# Allegro board FMDEMOD-Long.brd (continued)
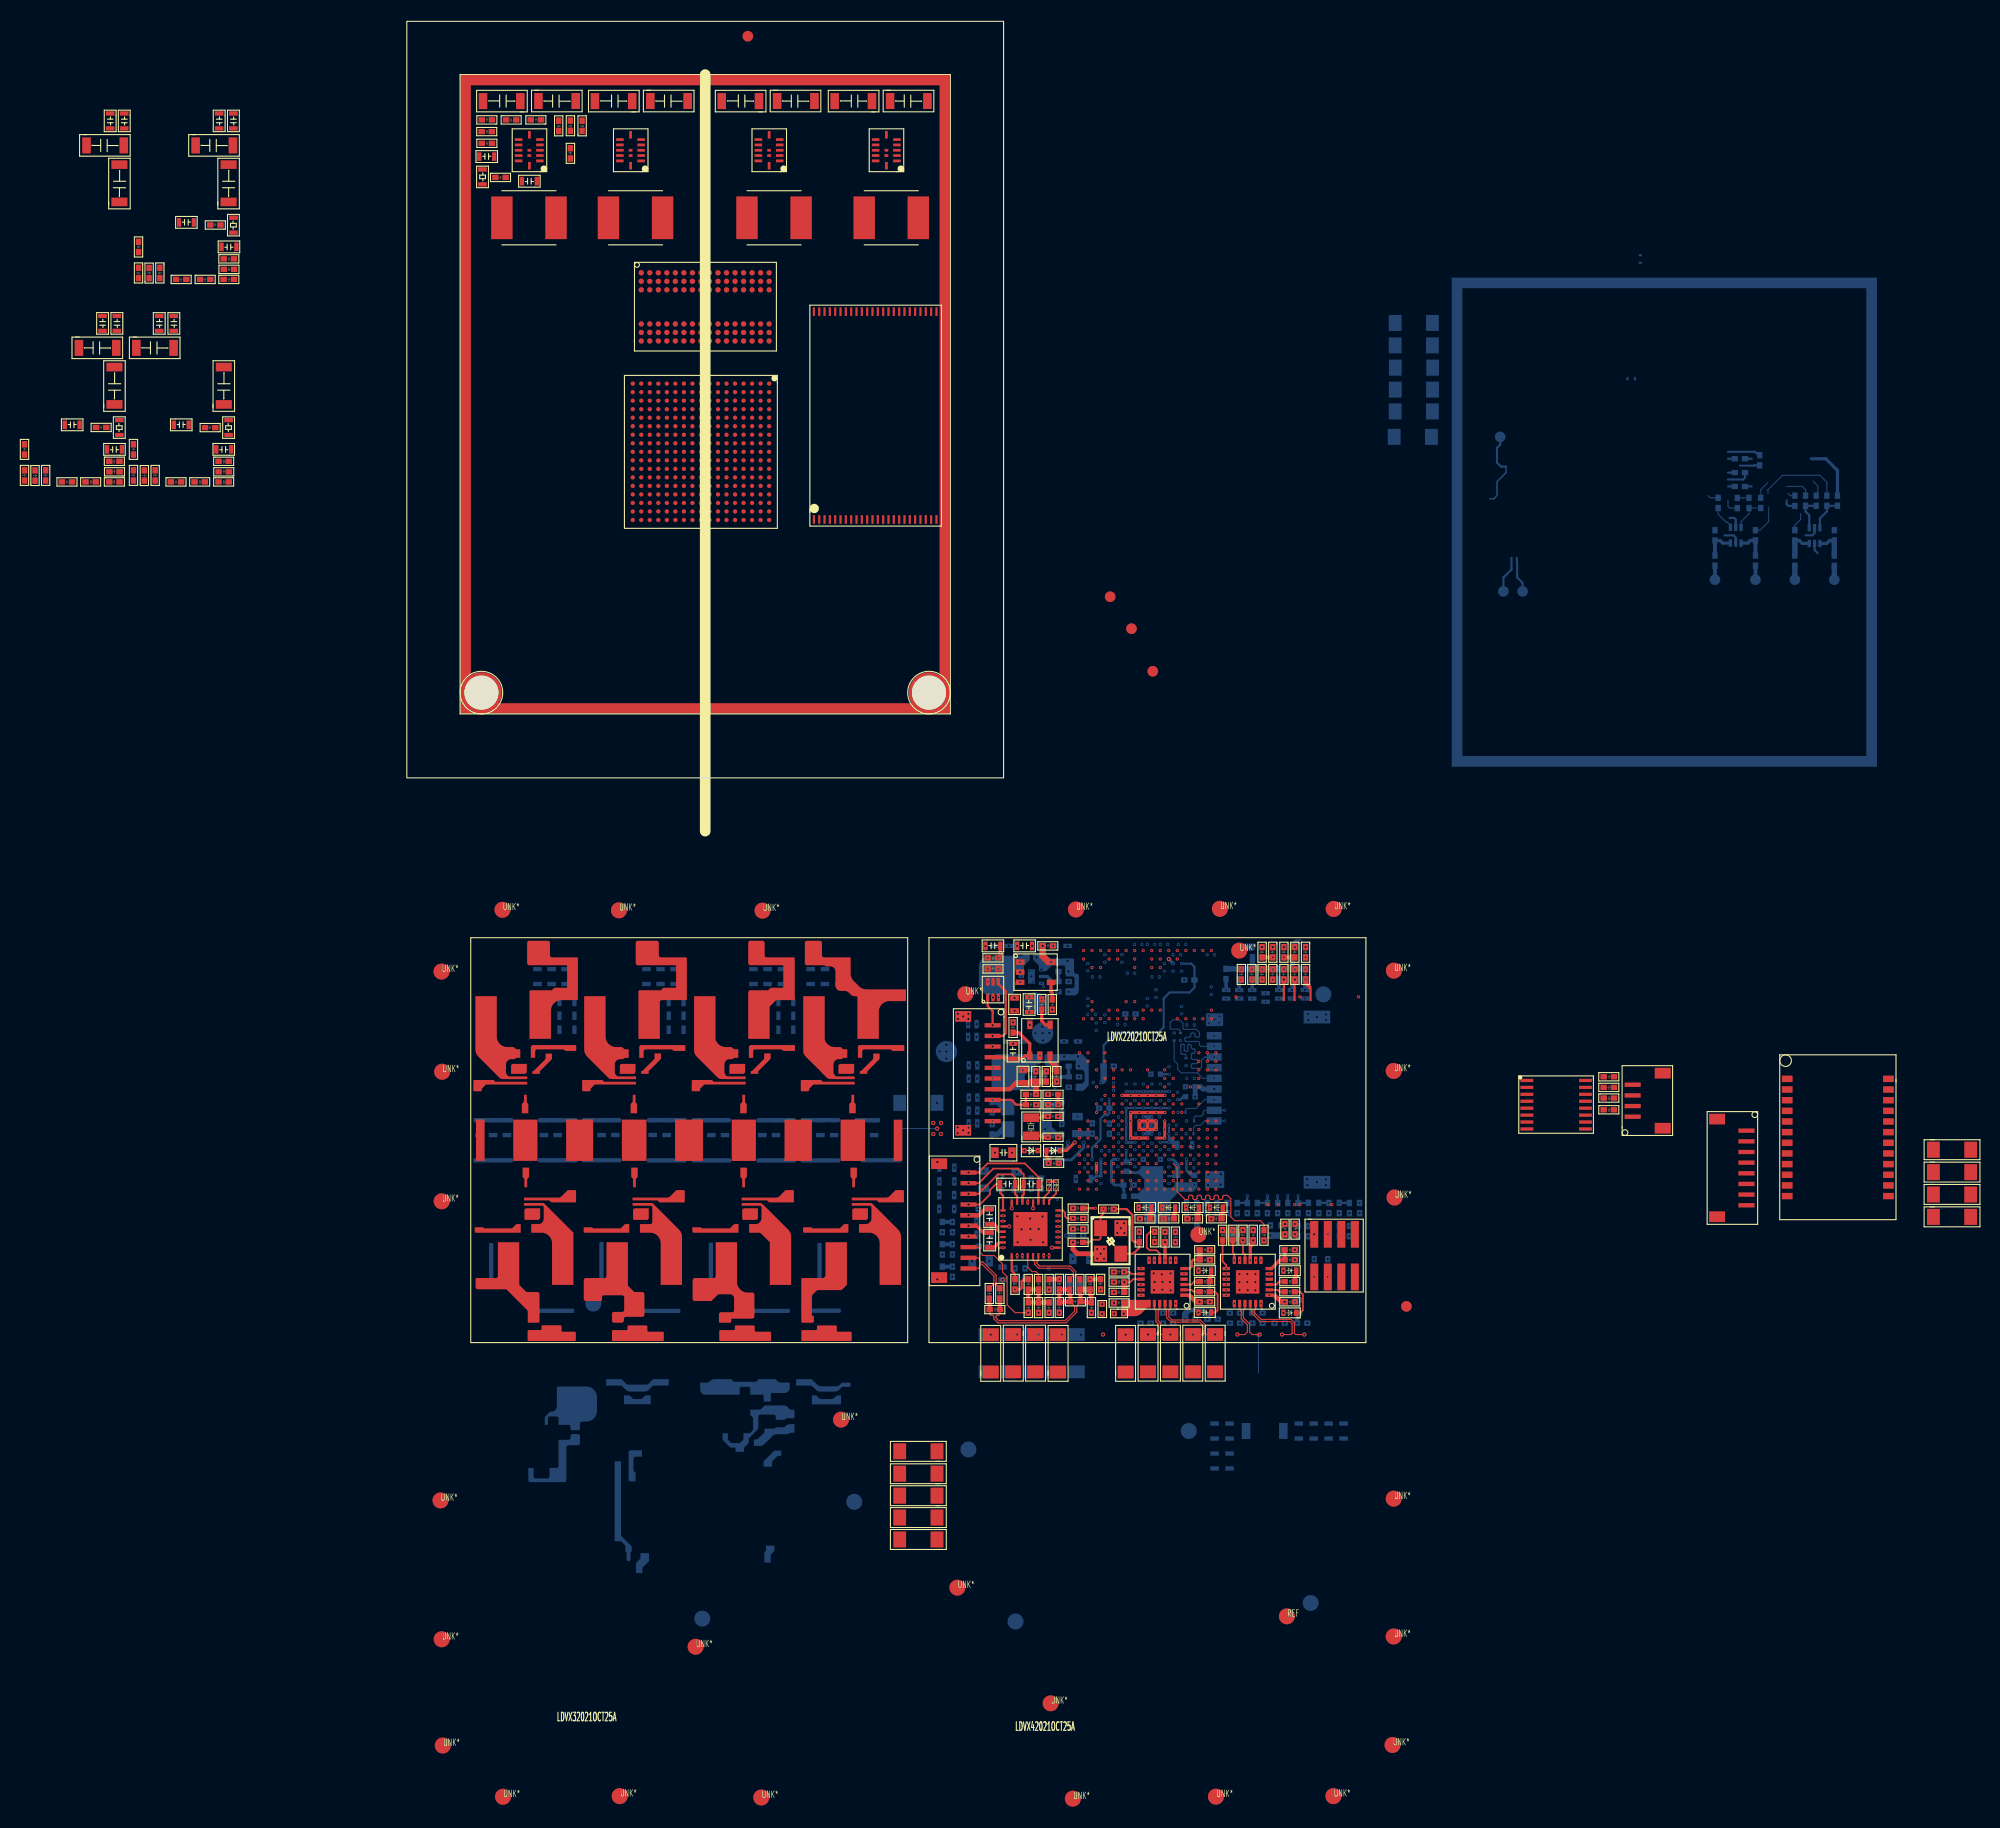
[diagram p0: board, top side]
## Placement (name value [footprint] x y rotation side) (continued)
NOREF#869  -  []  57.29 -24.63 90 top
NOREF#870  -  []  74.04 -26.94 0 top
NOREF#871  -  []  32.96 -35.23 0 top
NOREF#872  -  []  60.18 -20.33 0 top
NOREF#873  -  []  125.07 26.82 90 top
NOREF#874  -  []  53.63 -28.53 90 top
NOREF#875  -  []  -18.5 27.39 90 top
NOREF#876  -  []  67.25 -39.01 0 top
NOREF#877  -  []  60.34 -26.66 0 top
NOREF#878  -  []  79.9 -44.5 0 top
NOREF#879  -  []  55.98 -24.63 90 top
NOREF#880  -  []  68.78 -31.59 90 top
NOREF#881  -  []  54.66 -26.23 90 top
NOREF#882  -  []  82.94 -19.39 0 top
NOREF#883  -  []  -19.86 46.39 0 top
NOREF#884  -  []  122.55 29.04 0 top
NOREF#885  -  []  78.38 -51.56 0 top
NOREF#886  -  []  83.3 -61.29 0 top
NOREF#887  -  []  -21.04 47.4 90 top
NOREF#888  -  []  113.73 -31.54 90 top
NOREF#889  -  []  15.7 62.73 90 top
NOREF#890  -  []  72.07 -32.99 90 top
NOREF#891  -  []  57.98 -31.71 0 top
NOREF#892  -  []  125.07 29.42 90 top
NOREF#893  -  []  -17.54 54.2 90 top
NOREF#894  -  []  72.58 -15.86 90 top
NOREF#895  -  []  132.72 26.03 0 top
NOREF#896  -  []  54.06 -17.28 0 top
NOREF#897  -  []  67.5 -48.49 0 top
NOREF#898  -  []  77.22 -41.96 90 top
NOREF#899  -  []  63.54 -47.81 0 top
NOREF#900  -  []  59.7 -31.38 0 top
NOREF#901  -  []  125.42 25.82 0 top
NOREF#902  -  []  43.45 -32.03 0 top
NOREF#903  -  []  66.78 -37.82 0 top
NOREF#904  -  []  -27.78 54.2 90 top
NOREF#905  -  []  80.88 -21.11 90 top
NOREF#906  -  []  -28.95 41.85 0 top
NOREF#907  -  []  12.47 -35.23 0 top
NOREF#908  -  []  34.24 -32.03 0 top
NOREF#909  -  []  -28.24 60.85 0 top
NOREF#910  -  []  58.75 -51.3 0 top
NOREF#911  -  []  39.22 -33.62 90 top
NOREF#912  -  []  74.38 -27.62 90 top
NOREF#913  -  []  65.9 -49.67 90 top
NOREF#914  -  []  74.38 -41.96 0 top
NOREF#915  -  []  77.58 -18.38 0 top
NOREF#916  -  []  -31.76 28.4 90 top
NOREF#917  -  []  67.98 -31.39 90 top
NOREF#918  -  []  128.9 25.2 90 top
NOREF#919  -  []  73.98 -51.56 90 top
NOREF#920  -  []  67.19 -35.8 0 top
NOREF#921  -  []  6.7 55.6 0 top
NOREF#922  -  []  62.05 -43.98 0 top
NOREF#923  -  []  71.36 -25.24 90 top
NOREF#924  -  []  82.55 -16.34 0 top
NOREF#925  -  []  71.29 -36.69 0 top
NOREF#926  -  []  78.86 -44.5 90 top
NOREF#927  -  []  -18.13 27.39 0 top
NOREF#928  -  []  77.81 -20.81 90 top
NOREF#929  -  []  69.38 -48.49 90 top
NOREF#930  -  []  54.66 -23.13 0 top
NOREF#931  -  []  69.48 -18.57 90 top
NOREF#932  -  []  60.84 -50.65 0 top
NOREF#933  -  []  67.62 -32.82 0 top
NOREF#934  -  []  -27.43 60.85 90 top
NOREF#935  -  []  -33.74 28.4 90 top
NOREF#936  -  []  34.9 64.33 0 top
NOREF#937  -  []  70.8 -34.09 90 top
NOREF#938  -  []  57.55 -18.24 90 top
NOREF#939  -  []  5 -94 90 top
NOREF#940  -  []  55.56 -33.48 90 top
NOREF#941  -  []  22.67 -32.02 90 top
NOREF#942  -  []  87.92 -42.51 0 top
NOREF#943  -  []  59.74 -49.12 0 top
NOREF#944  -  []  -28.38 29.32 0 top
NOREF#945  -  []  -21.97 33.54 0 top
NOREF#946  -  []  53.35 -42.46 0 top
NOREF#947  -  []  -22.11 46.39 0 top
NOREF#948  -  []  32.9 62.7 90 top
NOREF#949  -  []  68.68 -32.82 90 top
NOREF#950  -  []  71.64 -17.75 0 top
NOREF#951  -  []  52.64 -30.3 90 top
NOREF#952  -  []  20.6 51.59 0 top
NOREF#953  -  []  58.11 -48.48 90 top
NOREF#954  -  []  61.44 -50.65 90 top
NOREF#955  -  []  -17.54 54.2 90 top
NOREF#956  -  []  58.22 -28.82 90 top
NOREF#957  -  []  8.3 57.9 90 top
NOREF#958  -  []  -14.15 46.55 90 top
NOREF#959  -  []  74.38 -44.05 0 top
NOREF#960  -  []  62.19 -38.19 90 top
NOREF#961  -  []  73.02 -29.72 0 top
NOREF#962  -  []  64.1 -22.01 0 top
NOREF#963  -  []  66.33 -50.01 0 top
NOREF#964  -  []  5 -94 0 top
NOREF#965  -  []  36.36 -20.62 0 top
NOREF#966  -  []  90.58 -41.96 90 top
NOREF#967  -  []  63.26 -28.44 0 top
NOREF#968  -  []  -28.38 27.39 0 top
NOREF#969  -  []  65.35 -47.51 0 top
NOREF#970  -  []  -17.64 46.39 0 top
NOREF#971  -  []  65.5 -23.31 90 top
NOREF#972  -  []  48.7 62.73 90 top
NOREF#973  -  []  76.26 -41.96 90 top
NOREF#974  -  []  6.57 61.36 90 top
NOREF#975  -  []  71.18 -31.59 90 top
NOREF#976  -  []  65.51 -50.35 90 top
NOREF#977  -  []  69.07 -25.24 0 top
NOREF#978  -  []  61.65 -28.23 0 top
NOREF#979  -  []  83.79 -47.66 90 top
NOREF#980  -  []  80.48 -51.56 0 top
NOREF#981  -  []  65.14 -29.42 90 top
NOREF#982  -  []  129.72 22.78 0 top
NOREF#983  -  []  56.98 -35.81 90 top
NOREF#984  -  []  54.77 -17.27 0 top
NOREF#985  -  []  72.22 -14.94 0 top
NOREF#986  -  []  66.84 -16.91 0 top
NOREF#987  -  []  57.05 -34.56 90 top
R1  47K  [R0402]  80.01 -15.88 270 top
R2  DNP  [R0402]  81.01 -15.88 270 top
R3  47K  [R0402]  82.05 -15.88 270 top
R4  DNP  [R0402]  83.08 -15.88 270 top
R5  47K  [R0402]  84.08 -15.88 270 top
R6  47K  [R0402]  78.06 -17.96 270 top
R7  47K  [R0402]  79.04 -17.96 270 top
R8  47K  [R0402]  80.01 -17.96 270 top
R9  47K  [R0402]  81.01 -17.96 270 top
R10  10K  [R0402]  59.33 -20.77 270 top
R11  DNP  [R0402]  56.64 -22.94 270 top
R12  0  [R0603]  6.7 57.2 270 top
R13  0  [R0603]  -15.87 51.07 90 top
R14  0  [R0603]  -26.58 32.07 90 top
R15  0  [R0603]  -16.32 32.07 90 top
R16  6.8K  [R0402]  60.74 -27.53 270 top
R17  294K  [R0402]  8 59.8 180 top
R18  182K  [R0402]  -17.19 48.46 0 top
R19  51.1K  [R0402]  -27.93 29.46 0 top
R20  51.1K  [R0402]  -17.68 29.46 0 top
R21  10K  [R0402]  61.13 -29.45 180 top
R22  10K  [R0402]  58.08 -29.96 0 top
R23  40.2K  [R0402]  7.01 60.4 0 top
R24  40.2K  [R0402]  -16.2 47.97 180 top
R25  40.2K  [R0402]  -26.94 28.97 180 top
R26  40.2K  [R0402]  -16.69 28.97 180 top
R27  DNP  [R0402]  16.7 60.7 90 top
R28  787K  [R0402]  15.1 61.69 270 top
R29  100K  [R0402]  14.5 60.7 90 top
R30  DNP  [R0402]  -25.43 47.87 270 top
R31  499K  [R0402]  -23.93 46.88 90 top
R32  100K  [R0402]  -23.42 47.87 270 top
R33  DNP  [R0402]  -36.12 28.87 270 top
R34  180K  [R0402]  -34.64 27.88 90 top
R35  100K  [R0402]  -34.14 28.87 270 top
R36  DNP  [R0402]  -25.9 28.87 270 top
R37  180K  [R0402]  -24.38 27.88 90 top
R38  100K  [R0402]  -23.86 28.87 270 top
R39  100K  [R0402]  59.06 -30.42 180 top
R40  DNP  [R0402]  9.3 61.5 0 top
R41  100K  [R0402]  8 62 180 top
R42  DNP  [R0402]  -19.41 46.53 0 top
R43  100K  [R0402]  -17.2 46.53 0 top
R44  DNP  [R0402]  -30.16 27.53 0 top
R45  DNP  [R0402]  -27.93 27.53 0 top
R46  DNP  [R0402]  -19.93 27.53 0 top
R47  DNP  [R0402]  -17.68 27.53 0 top
R48  1.5K  [R0402]  60.21 -36.41 0 top
R73  4.7K  [R0201]  60.13 -37.93 270 top
R74  4.7K  [R0201]  60.78 -37.93 270 top
R79  10K  [R0402]  63.49 -40.13 180 top
R80  1M  [R0402]  66.34 -40.22 180 top
R81  10K  [R0402]  62.5 -41.59 0 top
R82  1K  [R0402]  68.78 -41.63 0 top
R83  1K  [R0402]  71.01 -41.63 0 top
R84  1K  [R0402]  73.24 -41.63 0 top
R85  1K  [R0402]  75.48 -41.63 0 top
R90  100K  [R0402]  62.5 -42.58 0 top
R91  1K  [R0402]  76.8 -43.41 90 top
R92  1K  [R0402]  77.77 -43.41 90 top
R93  DNP  [R0402]  78.21 -42.42 270 top
R94  33  [R0402]  80.68 -43.41 90 top
R95  10K  [R0402]  69.93 -42.59 270 top
R96  33  [R0402]  72.37 -43.58 90 top
R97  1K  [R0402]  67.33 -46.12 180 top
R98  1K  [R0402]  74.38 -47.52 0 top
R99  1K  [R0402]  82.36 -47.52 0 top
R100  1K  [R0402]  67.33 -47.07 180 top
R101  DNP  [R0402]  56.82 -47.04 270 top
R102  2.2K  [R0402]  58.56 -48.03 90 top
R103  1.5K  [R0402]  60.52 -48.03 90 top
R104  1.5K  [R0402]  60.98 -47.04 270 top
R105  1.5K  [R0402]  64.36 -48.03 90 top
R106  1K  [R0402]  64.85 -47.04 270 top
R107  1K  [R0402]  74.38 -48.47 0 top
R108  1K  [R0402]  82.36 -48.47 0 top
R109  15k  [R0402]  54.91 -48.88 90 top
R110  15k  [R0402]  55.4 -47.89 270 top
R111  100  [R0402]  58.06 -49.22 270 top
R112  DNP  [R0402]  59.53 -50.21 90 top
R113  1.5K  [R0402]  55.67 -49.65 180 top
R114  DNP  [R1206]  55.6 -55.61 90 top
R115  0  [R1206]  56.1 -52.39 270 top
R116  0  [R1206]  58.19 -52.39 270 top
R117  0  [R1206]  61.92 -55.61 90 top
R120  DNP  [R1206]  68.25 -55.61 90 top
R121  33  [R1206]  68.75 -52.39 270 top
R122  33  [R1206]  70.85 -52.39 270 top
R123  33  [R1206]  72.95 -52.39 270 top
R124  33  [R1206]  75.05 -52.39 270 top
R125  33  [R1206]  143.4 -42 0 top
R126  33  [R1206]  143.4 -39.9 0 top
R127  33  [R1206]  143.4 -37.8 0 top
R128  33  [R1206]  143.4 -35.7 0 top
R141  0  [R1206]  49.6 -62.4 180 top
R143  0  [R1206]  49.6 -64.5 180 top
R147  0  [R1206]  49.6 -66.56 180 top
R149  0  [R1206]  49.6 -68.61 180 top
R152  DNP  [R1206]  49.6 -70.67 180 top
R199  10K  [R0201]  71.35 -15.78 180 bottom
R200  10K  [R0201]  69.54 -15.48 0 bottom
R201  240  [R0201]  71.95 -16.45 0 bottom
R202  DNP  [R0402]  59.1 -17.1 180 bottom
R203  240  [R0201]  72.05 -17.49 270 bottom
R204  51.1K  [R0402]  61.13 -17.91 0 bottom
R205  47K  [R0402]  84.53 -17.91 270 bottom
R206  47K  [R0402]  83.31 -17.91 270 bottom
R207  47K  [R0402]  82.08 -17.91 270 bottom
R208  47K  [R0402]  79.6 -17.91 270 bottom
R209  47K  [R0402]  78.36 -17.91 270 bottom
R210  47K  [R0402]  77.12 -17.91 270 bottom
R211  470  [R0201]  70.58 -18.83 180 bottom
R212  40.2K  [R0402]  62.12 -19.36 180 bottom
R213  10K  [R0201]  75.65 -19.67 270 bottom
R214  51.1K  [R0402]  62.12 -20.33 180 bottom
R215  1.5K  [R0201]  69.63 -23.97 270 bottom
R216  1.5K  [R0201]  68.72 -24.58 90 bottom
R217  22  [R0201]  72.45 -24.6 90 bottom
R218  22  [R0201]  72.16 -23.99 270 bottom
R219  DNP  [R0402]  60.17 -26.52 180 bottom
R220  22  [R0201]  72.97 -26.97 90 bottom
R221  51.1K  [R0402]  62.1 -26.81 0 bottom
R222  40.2K  [R0402]  63.09 -28.3 180 bottom
R223  240  [R0201]  66.17 -29.27 90 bottom
R224  51.1K  [R0402]  63.09 -29.28 180 bottom
R225  100K  [R1206]  46.4 -29.7 0 bottom
R226  10K  [R0402]  61.21 -31.41 90 bottom
R227  JMP  [R1206]  56.56 -30.11 0 bottom
R228  1K  [R0402]  55.17 -30.42 270 bottom
R229  22  [R0201]  72.42 -31.24 0 bottom
R230  22  [R0201]  73.22 -32.04 0 bottom
R232  10K  [R0402]  61.71 -32.48 270 bottom
R233  JMP  [R1206]  56.56 -32.17 0 bottom
R234  1K  [R0402]  54.67 -33.47 90 bottom
R235  22  [R0201]  73.17 -33.25 0 bottom
R236  47K  [R0402]  89.15 -40.87 90 bottom
R237  47K  [R0402]  88.2 -40.87 90 bottom
R238  1K  [R0402]  87.75 -39.88 270 bottom
R239  47K  [R0402]  86.27 -40.87 90 bottom
R240  DNP  [R0402]  85.83 -39.88 270 bottom
R241  DNP  [R0402]  84.86 -39.88 270 bottom
R242  47K  [R0402]  83.38 -40.87 90 bottom
R243  47K  [R0402]  82.42 -40.87 90 bottom
R244  47K  [R0402]  81.47 -40.87 90 bottom
R245  DNP  [R0402]  80.51 -40.87 90 bottom
R246  47K  [R0402]  79.56 -40.87 90 bottom
R247  47K  [R0402]  78.61 -40.87 90 bottom
R248  DNP  [R0402]  77.66 -40.87 90 bottom
R249  47K  [R0402]  76.72 -40.87 90 bottom
R250  47K  [R0402]  75.79 -40.87 90 bottom
R251  47K  [R0402]  74.84 -40.87 90 bottom
R252  47K  [R0402]  73.88 -40.87 90 bottom
R253  47K  [R0402]  72.91 -40.87 90 bottom
R254  10K  [R0402]  51.44 -41.66 270 bottom
R255  10K  [R0402]  81.78 -42.95 90 bottom
R256  47K  [R0402]  73.88 -42.96 90 bottom
R257  10K  [R0402]  80.78 -42.96 90 bottom
R258  1K  [R0402]  88.7 -42.04 270 bottom
R259  47K  [R0402]  87.25 -43.03 90 bottom
R260  10K  [R0402]  86.29 -43.03 90 bottom
R261  47K  [R0402]  84.36 -43.03 90 bottom
R262  47K  [R0402]  83.38 -43.03 90 bottom
R263  0  [R0402]  63.48 -43.2 180 bottom
R264  10K  [R0402]  50.5 -43.76 270 bottom
R265  1K  [R0402]  75.36 -45.48 180 bottom
R266  1K  [R0402]  86.16 -46.13 90 bottom
R267  1K  [R0402]  84.9 -46.13 90 bottom
R268  10K  [R0402]  51.44 -45.86 270 bottom
R269  NC  [R0402]  50.5 -45.86 270 bottom
R270  1K  [R0402]  75.36 -48.47 180 bottom
R271  12.1K  [R0402]  79.32 -49.97 0 bottom
R272  12.1K  [R0402]  70.94 -49.97 0 bottom
R273  49.9  [R0402]  76.11 -51.06 180 bottom
R274  49.9  [R0402]  74.01 -51.06 180 bottom
R275  49.9  [R0402]  84.51 -51.42 180 bottom
R276  49.9  [R0402]  82.39 -51.42 180 bottom
R277  49.9  [R0402]  80.31 -51.42 180 bottom
R278  49.9  [R0402]  78.2 -51.42 180 bottom
R279  49.9  [R0402]  71.93 -51.42 180 bottom
R280  49.9  [R0402]  69.81 -51.42 180 bottom
R281  DNP  [R1206]  73.03 -55.61 90 bottom
R282  0  [R1206]  63.66 -52.39 270 bottom
R283  0  [R1206]  59.91 -55.61 90 bottom
R284  0  [R1206]  59.4 -52.39 270 bottom
R285  0  [R1206]  57.32 -52.39 270 bottom
R286  0  [R1206]  55.21 -52.39 270 bottom
R296  0  [R1206]  96.09 41.89 180 bottom
R300  33  [R0603]  84.7 -62.1 90 bottom
R301  33  [R0603]  83.3 -62.1 90 bottom
R302  33  [R0603]  76.8 -62.1 90 bottom
R303  33  [R0603]  75.4 -62.1 90 bottom
R312  0  [R1206]  96.09 39.79 180 bottom
R318  0  [R1206]  96.11 37.7 180 bottom
R322  33  [R0402]  130 19.9 90 bottom
R324  DNP  [R0402]  130.5 23.25 270 bottom
R325  0  [R1206]  96.1 35.64 180 bottom
R329  33  [R0402]  126.3 19.9 90 bottom
R330  33  [R0402]  133.7 19.9 90 bottom
R331  DNP  [R0402]  126.8 23.25 270 bottom
R332  DNP  [R0402]  134.2 23.25 270 bottom
R333  0  [R1206]  96.09 33.59 180 bottom
R334  DNP  [R0402]  130 25.51 90 bottom
R335  0  [R0402]  123.3 26.29 270 bottom
R336  33  [R0402]  122.5 19.9 90 bottom
R338  DNP  [R0402]  123 23.25 270 bottom
R345  0  [R0402]  132.5 26.5 270 bottom
R346  DNP  [R0402]  131.5 26.5 270 bottom
R347  0  [R0402]  133.5 26.5 270 bottom
R348  DNP  [R0402]  134.5 26.5 270 bottom
R349  DNP  [R0402]  127.3 26.29 270 bottom
R350  0  [R0402]  126.2 26.29 270 bottom
R368  0  [R0402]  112.3 -31.4 0 top
R369  DNP  [R0402]  124.6 25.3 90 bottom
R371  DNP  [R0402]  112.3 -29.3 0 top
R372  0  [R0402]  112.3 -30.3 0 top
R376  0  [R1206]  96 31.2 180 bottom
REF  -  [unnamed#2]  82.58 -78.69 0 top
T1  M3295NL  [SMD-M3295NL]  129.3 -26.2 270 top
TP5  T POINT R  [TP_SMD_CIR_2D0]  55.22 -19.05 180 bottom
TP6  T POINT R  [TP_SMD_CIR_2D0]  58.89 -21.13 180 bottom
TP7  T POINT R  [TP_SMD_CIR_2D0]  59.67 -23.96 180 bottom
TP8  T POINT R  [TP_SMD_CIR_2D0]  50.64 -25.68 180 bottom
TP9  T POINT R  [TP_SMD_CIR_2D0]  56.46 -28.09 180 bottom
TP10  T POINT R  [TP_SMD_CIR_2D0]  70.38 -40.81 180 bottom
TP37  T POINT R  [SCREW-M3]  7 8 0 top
TP38  T POINT R  [SCREW-M3]  49 8 0 top
TP43  T POINT R  [TP_SMD_CIR_1D0]  102.6 32 180 bottom
TP44  T POINT R  [TP_SMD_CIR_1D0]  68 14 0 top
TP45  T POINT R  [TP_SMD_CIR_1D0]  93.8 -49.6 0 top
TP46  T POINT R  [TP_SMD_CIR_1D0]  70 10 0 top
TP47  T POINT R  [TP_SMD_CIR_1D0]  104.7 17.5 180 bottom
TP48  T POINT R  [TP_SMD_CIR_1D0]  102.9 17.5 180 bottom
TP49  T POINT R  [TP_SMD_CIR_1D0]  66 17 0 top
TP50  T POINT R  [TP_SMD_CIR_1D0]  32 69.6 0 top
TP51  T POINT R  [TP_SMD_CIR_1D0]  122.75 18.6 180 bottom
TP52  T POINT R  [TP_SMD_CIR_1D0]  133.95 18.6 180 bottom
TP53  T POINT R  [TP_SMD_CIR_1D0]  130.25 18.6 180 bottom
TP54  T POINT R  [TP_SMD_CIR_1D0]  126.55 18.6 180 bottom
U1  SGM2028-3.3  [SOT-23-5]  59 -18.24 270 top
U2  NT5CC256M16EP-EK  [VFBGA-96]  22 41 90 top
U3  SN74LVC2G34DRL  [SOT-6]  54.51 -20.61 90 top
U4  SY6280AAAC  [SOT-23-5]  59.41 -24.63 0 top
U5  MP2326GD  [QFN-14]  11.5 58.9 180 top
U6  MP2326GD  [QFN-14]  21 58.9 180 top
U7  MP2326GD  [QFN-14]  34 58.9 180 top
U8  MP2326GD  [QFN-14]  45 58.9 180 top
U9  MT29F4G08ABADAWP-IT  [TSOP-48]  44 34 90 top
U10  MCIMX6Y2CVM05AB  [MAPBGA-289]  34 37 270 top
U15  WM8960CGEFL/V  [QFN-32]  58.52 -42.34 90 top
U16  LAN8720Ai-CP-TR  [QFN-24]  70.9 -47.3 180 top
U17  LAN8720Ai-CP-TR  [QFN-24]  78.9 -47.3 180 top
U34  TPS74601PBQWDRVRQ1  [WSON-6]  58.61 -18.64 180 bottom
U35  TPS74601PBQWDRVRQ1  [WSON-6]  59.67 -28.1 180 bottom
U41  SN74LVC2G34DRL  [SOT-6]  132.6 22 90 bottom
U42  SN74LVC2G34DRL  [SOT-6]  124.2 23.51 270 bottom
U47  SP3232EEY  [TSSOP-16]  110.6 -28.4 270 top
UNK3VBATTERY1  COIN_3V  [C0805]  56.98 -34.56 180 top
UNK*  -  [unnamed#2]  8.97 -12.38 0 top
UNK*#2  -  [unnamed#2]  74.28 -42.86 0 top
UNK*#3  -  [unnamed#2]  62.5 -95.8 0 top
UNK*#4  -  [unnamed#2]  92.61 -80.58 0 top
UNK*#5  -  [unnamed#2]  33.38 -12.46 0 top
UNK*#6  -  [unnamed#2]  9.03 -95.62 0 top
UNK*#7  -  [unnamed#2]  92.69 -39.38 0 top
UNK*#8  -  [unnamed#2]  78.11 -16.21 0 top
UNK*#9  -  [unnamed#2]  3.32 -27.58 0 top
UNK*#10  -  [unnamed#2]  92.61 -67.64 0 top
UNK*#11  -  [unnamed#2]  3.25 -18.18 0 top
UNK*#12  -  [unnamed#2]  75.92 -95.61 0 top
UNK*#13  -  [unnamed#2]  92.5 -90.76 0 top
UNK*#14  -  [unnamed#2]  40.74 -60.23 0 top
UNK*#15  -  [unnamed#2]  51.66 -76 0 top
UNK*#16  -  [unnamed#2]  86.97 -12.3 0 top
UNK*#17  -  [unnamed#2]  27.1 -81.54 0 top
UNK*#18  -  [unnamed#2]  52.41 -20.3 0 top
UNK*#19  -  [unnamed#2]  60.41 -86.85 0 top
UNK*#20  -  [unnamed#2]  3.27 -39.74 0 top
UNK*#21  -  [unnamed#2]  86.95 -95.56 0 top
UNK*#22  -  [unnamed#2]  3.16 -67.81 0 top
UNK*#23  -  [unnamed#2]  33.26 -95.69 0 top
UNK*#24  -  [unnamed#2]  76.3 -12.29 0 top
UNK*#25  -  [unnamed#2]  3.37 -90.81 0 top
UNK*#26  -  [unnamed#2]  3.27 -80.84 0 top
UNK*#27  -  [unnamed#2]  62.79 -12.35 0 top
UNK*#28  -  [unnamed#2]  92.61 -27.51 0 top
UNK*#29  -  [unnamed#2]  19.9 -12.43 0 top
UNK*#30  -  [unnamed#2]  92.62 -18.09 0 top
UNK*#31  -  [unnamed#2]  19.98 -95.56 0 top
UNK*#32  -  [unnamed#2]  92.63 -18.09 180 bottom
UNK*#33  -  [unnamed#2]  8.97 -12.38 180 bottom
UNK*#34  -  [unnamed#2]  92.61 -80.58 180 bottom
UNK*#35  -  [unnamed#2]  3.27 -80.84 180 bottom
UNK*#36  -  [unnamed#2]  3.32 -27.58 180 bottom
UNK*#37  -  [unnamed#2]  3.26 -18.18 180 bottom
UNK*#38  -  [unnamed#2]  3.27 -39.74 180 bottom
UNK*#39  -  [unnamed#2]  19.9 -12.43 180 bottom
UNK*#40  -  [unnamed#2]  77.47 -42.84 180 bottom
UNK*#41  -  [unnamed#2]  86.01 -20.32 180 bottom
UNK*#42  -  [unnamed#2]  92.5 -90.75 180 bottom
UNK*#43  -  [unnamed#2]  84.81 -77.44 180 bottom
UNK*#44  -  [unnamed#2]  73.38 -61.29 180 bottom
UNK*#45  -  [unnamed#2]  62.49 -95.8 180 bottom
UNK*#46  -  [unnamed#2]  57.12 -79.17 180 bottom
UNK*#47  -  [unnamed#2]  17.5 -49.33 180 bottom
UNK*#48  -  [unnamed#2]  31.65 -34.04 180 bottom
UNK*#49  -  [unnamed#2]  3.38 -90.81 180 bottom
UNK*#50  -  [unnamed#2]  75.92 -95.61 180 bottom
UNK*#51  -  [unnamed#2]  9.03 -95.62 180 bottom
UNK*#52  -  [unnamed#2]  86.95 -95.56 180 bottom
UNK*#53  -  [unnamed#2]  76.29 -12.29 180 bottom
UNK*#54  -  [unnamed#2]  41.99 -67.94 180 bottom
UNK*#55  -  [unnamed#2]  33.26 -95.69 180 bottom
UNK*#56  -  [unnamed#2]  19.97 -95.56 180 bottom
UNK*#57  -  [unnamed#2]  33.38 -12.47 180 bottom
UNK*#58  -  [unnamed#2]  92.68 -39.38 180 bottom
UNK*#59  -  [unnamed#2]  92.61 -67.64 180 bottom
UNK*#60  -  [unnamed#2]  52.7 -63.03 180 bottom
UNK*#61  -  [unnamed#2]  3.16 -67.81 180 bottom
UNK*#62  -  [unnamed#2]  86.97 -12.3 180 bottom
UNK*#63  -  [unnamed#2]  92.6 -27.5 180 bottom
UNK*#64  -  [unnamed#2]  27.73 -78.91 180 bottom
UNK*#65  -  [unnamed#2]  62.79 -12.35 180 bottom
UNK*#66  -  [unnamed#2]  21.31 -34.04 180 bottom
Y1  32.768KHz  [FC-12M]  59.18 -33.81 90 top
Y2  24MHz  [TSX-3225-4P]  64.8 -41.83 270 top

## Library data of the parts
C1-C21 C23-C60 C73 C74 C92-C96 C98-C102 C107-C114 C121-C123 C245-C363 C388-C412 C417-C419 C424 C425 C430 C431 C444 C475-C477 C496 C497 C515 C539 C591 C596 C601 C607 C611 = CAP NP
C22 = CAP NP: signal model: DEFAULT_CAPACITOR_100000pF_2_1
C83 C97 = CAP
D1 D2 = RB521S-30
D3-D10 = LED
D26-D39 = DIODE BI-DIR TRIG
J1 J2 = HEADER1X10
J3 = HEADER-2X4
J5 = MicroSDSlot
J6 = HEADER1X8_0
J21 = HEADER-1X4
L1 L6 L11 L12 L23-L34 = BEAD
L2-L5 = INDUCTOR
R1-R9 R21 R48 R73 R74 R79-R85 R90-R100 R107 R108 R121-R128 R199-R201 R203 R205-R211 R213 R215-R218 R220 R223 R226 R228-R230 R232 R234 R236-R280 R300-R303 = R_2
R10-R20 R22-R47 R101-R106 R109-R117 R120 R141 R143 R147 R149 R152 R202 R204 R212 R214 R219 R221 R222 R224 R225 R227 R233 R281-R286 R296 R312 R318 R322 R324 R325 R329-R336 R338 R345-R350 R368 R369 R371 R372 R376 = R
R235 = R_2: signal model: R_R0201_DISCRETE_22_22
T1 = M3295NL
TP5-TP10 TP37 TP38 TP43-TP54 = T POINT R
U1 = SGM2028-3.3
U2 = NT5CC256M16EP-EK
U3 U41 U42 = SN74LVC2G34DRL
U4 = SY6280AAAC
U5-U8 = MP2326GD
U9 = MT29F4G08ABADAWP-IT_0
U10 = MCIMX6Y2CVM05AB_0
U15 = WM8960_0
U16 U17 = LAN8720A
U34 U35 = TPS74601PBQWDRVRQ1
U47 = SP3232EEY
UNK3VBATTERY1 = BATTERY
Y1 = CRYSTAL
Y2 = Crystal

## Footprints (pads in the part's own frame, mm; a bottom-side part is the same pattern mirrored in y, then rotated)
C0201
  rect 0.2x0.3 smd: 1(-0.05,0.15) 2(0.65,0.15)
C0402
  rect 0.6x0.5 smd: 1(0.01,0.25) 2(0.97,0.25)
C0603
  rect 0.4x0.8 smd: 1(0.1,0.4) 2(1.5,0.4)
C0805
  rect 0.7x1 smd: 1(0.2,0.62) 2(1.8,0.62)
C1206
  rect 0.8x1.5 smd: 1(-0.15,0.79) 2(3.35,0.79)
CD54-IND-2P
  rect 2x4 smd: 1(0,2.54) 2(5.08,2.54)
DF1006
  rect 0.4x0.8 smd: 1(0.1,0.3) 2(0.9,0.3)
FB0402
  rect 0.5x0.5 smd: 1(0.05,0.24) 2(0.95,0.24)
FB0603
  rect 0.5x0.8 smd: 1(0.2,0.4) 2(1.4,0.4)
FC-12M
  rect 0.8x1.5 smd: 1(0.21,0.6) 2(1.91,0.6)
LED0402
  rect 0.4x0.6 smd: 1(-0.1,0.25) 2(1.1,0.25)
MAPBGA-289
  round 0.4 smd: A1(0,0) A2(0.8,0) A3(1.6,0) A4(2.4,0) A5(3.2,0) A6(4,0) A7(4.8,0) A8(5.6,0) A9(6.4,0) A10(7.2,0) A11(8,0) A12(8.8,0) A13(9.6,0) A14(10.4,0) A15(11.2,0) A16(12,0) A17(12.8,0) B1(0,-0.8) B2(0.8,-0.8) B3(1.6,-0.8) B4(2.4,-0.8) B5(3.2,-0.8) B6(4,-0.8) B7(4.8,-0.8) B8(5.6,-0.8) B9(6.4,-0.8) B10(7.2,-0.8) B11(8,-0.8) B12(8.8,-0.8) B13(9.6,-0.8) B14(10.4,-0.8) B15(11.2,-0.8) B16(12,-0.8) B17(12.8,-0.8) C1(0,-1.6) C2(0.8,-1.6) C3(1.6,-1.6) C4(2.4,-1.6) C5(3.2,-1.6) C6(4,-1.6) C7(4.8,-1.6) C8(5.6,-1.6) C9(6.4,-1.6) C10(7.2,-1.6) C11(8,-1.6) C12(8.8,-1.6) C13(9.6,-1.6) C14(10.4,-1.6) C15(11.2,-1.6) C16(12,-1.6) C17(12.8,-1.6) D1(0,-2.4) D2(0.8,-2.4) D3(1.6,-2.4) D4(2.4,-2.4) D5(3.2,-2.4) D6(4,-2.4) D7(4.8,-2.4) D8(5.6,-2.4) D9(6.4,-2.4) D10(7.2,-2.4) D11(8,-2.4) D12(8.8,-2.4) D13(9.6,-2.4) D14(10.4,-2.4) D15(11.2,-2.4) D16(12,-2.4) D17(12.8,-2.4) E1(0,-3.2) E2(0.8,-3.2) E3(1.6,-3.2) E4(2.4,-3.2) E5(3.2,-3.2) E6(4,-3.2) E7(4.8,-3.2) E8(5.6,-3.2) E9(6.4,-3.2) E10(7.2,-3.2) E11(8,-3.2) E12(8.8,-3.2) E13(9.6,-3.2) E14(10.4,-3.2) E15(11.2,-3.2) E16(12,-3.2) E17(12.8,-3.2) F1(0,-4) F2(0.8,-4) F3(1.6,-4) F4(2.4,-4) F5(3.2,-4) F6(4,-4) F7(4.8,-4) F8(5.6,-4) F9(6.4,-4) F10(7.2,-4) F11(8,-4) F12(8.8,-4) F13(9.6,-4) F14(10.4,-4) F15(11.2,-4) F16(12,-4) F17(12.8,-4) G1(0,-4.8) G2(0.8,-4.8) G3(1.6,-4.8) G4(2.4,-4.8) G5(3.2,-4.8) G6(4,-4.8) G7(4.8,-4.8) G8(5.6,-4.8) G9(6.4,-4.8) G10(7.2,-4.8) G11(8,-4.8) G12(8.8,-4.8) G13(9.6,-4.8) G14(10.4,-4.8) G15(11.2,-4.8) G16(12,-4.8) G17(12.8,-4.8) H1(0,-5.6) H2(0.8,-5.6) H3(1.6,-5.6) H4(2.4,-5.6) H5(3.2,-5.6) H6(4,-5.6) H7(4.8,-5.6) H8(5.6,-5.6) H9(6.4,-5.6) H10(7.2,-5.6) H11(8,-5.6) H12(8.8,-5.6) H13(9.6,-5.6) H14(10.4,-5.6) H15(11.2,-5.6) H16(12,-5.6) H17(12.8,-5.6) J1(0,-6.4) J2(0.8,-6.4) J3(1.6,-6.4) J4(2.4,-6.4) J5(3.2,-6.4) J6(4,-6.4) J7(4.8,-6.4) J8(5.6,-6.4) J9(6.4,-6.4) J10(7.2,-6.4) J11(8,-6.4) J12(8.8,-6.4) J13(9.6,-6.4) J14(10.4,-6.4) J15(11.2,-6.4) J16(12,-6.4) J17(12.8,-6.4) K1(0,-7.2) K2(0.8,-7.2) K3(1.6,-7.2) K4(2.4,-7.2) K5(3.2,-7.2) K6(4,-7.2) K7(4.8,-7.2) K8(5.6,-7.2) K9(6.4,-7.2) K10(7.2,-7.2) K11(8,-7.2) K12(8.8,-7.2) K13(9.6,-7.2) K14(10.4,-7.2) K15(11.2,-7.2) K16(12,-7.2) K17(12.8,-7.2) L1(0,-8) L2(0.8,-8) L3(1.6,-8) L4(2.4,-8) L5(3.2,-8) L6(4,-8) L7(4.8,-8) L8(5.6,-8) L9(6.4,-8) L10(7.2,-8) L11(8,-8) L12(8.8,-8) L13(9.6,-8) L14(10.4,-8) L15(11.2,-8) L16(12,-8) L17(12.8,-8) M1(0,-8.8) M2(0.8,-8.8) M3(1.6,-8.8) M4(2.4,-8.8) M5(3.2,-8.8) M6(4,-8.8) M7(4.8,-8.8) M8(5.6,-8.8) M9(6.4,-8.8) M10(7.2,-8.8) M11(8,-8.8) M12(8.8,-8.8) M13(9.6,-8.8) M14(10.4,-8.8) M15(11.2,-8.8) M16(12,-8.8) M17(12.8,-8.8) N1(0,-9.6) N2(0.8,-9.6) N3(1.6,-9.6) N4(2.4,-9.6) N5(3.2,-9.6) N6(4,-9.6) N7(4.8,-9.6) N8(5.6,-9.6) N9(6.4,-9.6) N10(7.2,-9.6) N11(8,-9.6) N12(8.8,-9.6) N13(9.6,-9.6) N14(10.4,-9.6) N15(11.2,-9.6) N16(12,-9.6) N17(12.8,-9.6) P1(0,-10.4) P2(0.8,-10.4) P3(1.6,-10.4) P4(2.4,-10.4) P5(3.2,-10.4) P6(4,-10.4) P7(4.8,-10.4) P8(5.6,-10.4) P9(6.4,-10.4) P10(7.2,-10.4) P11(8,-10.4) P12(8.8,-10.4) P13(9.6,-10.4) P14(10.4,-10.4) P15(11.2,-10.4) P16(12,-10.4) P17(12.8,-10.4) R1(0,-11.2) R2(0.8,-11.2) R3(1.6,-11.2) R4(2.4,-11.2) R5(3.2,-11.2) R6(4,-11.2) R7(4.8,-11.2) R8(5.6,-11.2) R9(6.4,-11.2) R10(7.2,-11.2) R11(8,-11.2) R12(8.8,-11.2) R13(9.6,-11.2) R14(10.4,-11.2) R15(11.2,-11.2) R16(12,-11.2) R17(12.8,-11.2) T1(0,-12) T2(0.8,-12) T3(1.6,-12) T4(2.4,-12) T5(3.2,-12) T6(4,-12) T7(4.8,-12) T8(5.6,-12) T9(6.4,-12) T10(7.2,-12) T11(8,-12) T12(8.8,-12) T13(9.6,-12) T14(10.4,-12) T15(11.2,-12) T16(12,-12) T17(12.8,-12) U1(0,-12.8) U2(0.8,-12.8) U3(1.6,-12.8) U4(2.4,-12.8) U5(3.2,-12.8) U6(4,-12.8) U7(4.8,-12.8) U8(5.6,-12.8) U9(6.4,-12.8) U10(7.2,-12.8) U11(8,-12.8) U12(8.8,-12.8) U13(9.6,-12.8) U14(10.4,-12.8) U15(11.2,-12.8) U16(12,-12.8) U17(12.8,-12.8)
MICROSD-SMD-9P
  rect 0.7x1.4 smd: 1(2,7.53) 2(1,7.53) 3(0,7.53) 4(-1,7.53) 5(-2,7.53) 6(-3,7.53) 7(-4,7.53) 8(-5,7.53) 9(-6,7.53)
  rect 1.2x1.6 smd: 10(-7.5,7.5)
  rect 1.2x2.5 smd: 11(-7.75,-2.1) 12(7.75,-2.1)
  rect 1.6x1.8 smd: 13(7.5,7.5)
QFN-14
  rect 0.7x0.25 smd: 1(-0.99,1) 2(-0.99,0.5) 3(-0.99,0) 4(-0.99,-0.5) 5(-0.99,-1) 7(1.01,-1) 8(1.01,-0.5) 9(1.01,0) 10(1.01,0.5) 11(1.01,1)
  rect 0.25x0.7 smd: 6(0,-1.45) 12(0,1.45)
  rect 0.35x0.25 smd: 13(0,0.5) 14(0,0)
QFN-24
  rect 0.7x0.3 smd: 1(-2.03,1.25) 2(-2.03,0.75) 3(-2.03,0.25) 4(-2.03,-0.25) 5(-2.03,-0.75) 6(-2.03,-1.25) 13(2.01,-1.25) 14(2.01,-0.75) 15(2.01,-0.25) 16(2.01,0.25) 17(2.01,0.75) 18(2.01,1.25)
  rect 0.3x0.7 smd: 7(-1.25,-2.03) 8(-0.75,-2.03) 9(-0.25,-2.03) 10(0.25,-2.03) 11(0.75,-2.03) 12(1.25,-2.03) 19(1.25,2.04) 20(0.75,2.04) 21(0.25,2.04) 22(-0.25,2.04) 23(-0.75,2.04) 24(-1.25,2.04)
  rect 2.2x2.2 smd: 25(0,0)
QFN-32
  rect 0.5x0.2 smd: 1(-2.5,1.75) 2(-2.5,1.25) 3(-2.5,0.75) 4(-2.5,0.25) 5(-2.5,-0.25) 6(-2.5,-0.75) 7(-2.5,-1.25) 8(-2.5,-1.75) 17(2.53,-1.75) 18(2.53,-1.25) 19(2.53,-0.75) 20(2.53,-0.25) 21(2.53,0.25) 22(2.53,0.75) 23(2.53,1.25) 24(2.53,1.75)
  rect 0.2x0.5 smd: 9(-1.75,-2.59) 10(-1.25,-2.59) 11(-0.75,-2.59) 12(-0.25,-2.59) 13(0.25,-2.59) 14(0.75,-2.59) 15(1.25,-2.59) 16(1.75,-2.59) 25(1.75,2.57) 26(1.25,2.57) 27(0.75,2.57) 28(0.25,2.57) 29(-0.25,2.57) 30(-0.75,2.57) 31(-1.25,2.57) 32(-1.75,2.57)
  rect 3.2x3.2 smd: 33(0,0)
R0201
  rect 0.2x0.3 smd: 1(-0.05,0.15) 2(0.65,0.15)
R0402
  rect 0.6x0.5 smd: 1(0.01,0.25) 2(0.97,0.25)
R0603
  rect 0.4x0.8 smd: 1(0.1,0.4) 2(1.5,0.4)
R1206
  rect 1.2x1.5 smd: 1(-0.15,0.8) 2(3.35,0.8)
SCREW-M3
  round 3.8 hole 3.2 unplated: (0,0)
SH1D0-SMD-VER-4P
  rect 0.4x1.5 smd: 1(1.5,3.47) 2(2.5,3.47) 3(3.5,3.47) 4(4.5,3.47)
  rect 1x1.5 smd: M1(0.42,0.65) M2(5.59,0.65)
SH1D0-SMD-VER-8P
  rect 0.4x1.5 smd: 1(1.51,3.41) 2(2.51,3.41) 3(3.51,3.41) 4(4.51,3.41) 5(5.51,3.41) 6(6.51,3.41) 7(7.51,3.41) 8(8.51,3.41)
  rect 1x1.5 smd: M1(0.42,0.65) M2(9.59,0.65)
SH1D0-SMD-VER-10P
  rect 0.4x1.5 smd: 1(1.24,3.41) 2(2.24,3.41) 3(3.24,3.41) 4(4.24,3.41) 5(5.24,3.41) 6(6.24,3.41) 7(7.24,3.41) 8(8.24,3.41) 9(9.24,3.41) 10(10.24,3.41)
  rect 1x1.5 smd: M1(0.41,0.65) M2(11.1,0.65)
SMD-HEADER-2X4-1D27
  rect 0.75x2.5 smd: 1(0.651,1.166) 2(1.921,1.166) 3(3.191,1.166) 4(4.461,1.166) 5(4.461,5.166) 6(3.191,5.166) 7(1.921,5.166) 8(0.651,5.166)
SMD-M3295NL
  rect 0.6x1 smd: 1(2.05,0.23) 2(3.05,0.23) 3(4.05,0.23) 4(5.05,0.23) 5(6.05,0.23) 6(7.05,0.23) 7(8.05,0.23) 8(9.05,0.23) 9(10.05,0.23) 10(11.05,0.23) 11(12.05,0.23) 12(13.05,0.23) 13(13.05,9.73) 14(12.05,9.73) 15(11.05,9.73) 16(10.05,9.73) 17(9.05,9.73) 18(8.05,9.73) 19(7.05,9.73) 20(6.05,9.73) 21(5.05,9.73) 22(4.05,9.73) 23(3.05,9.73) 24(2.05,9.73)
SOD523
  rect 0.4x0.5 smd: 1(0,0.43) 2(1.25,0.43)
SOT-6
  rect 0.7x0.3 smd: 1(0,0) 2(0,-0.5) 3(0,-1) 4(1.48,-1) 5(1.48,-0.5) 6(1.48,0)
SOT-23-5
  rect 0.5x0.8 smd: 1(-0.95,-1.45) 2(0,-1.45) 3(0.95,-1.45) 4(0.96,1.45) 5(-0.94,1.45)
TP_SMD_CIR_1D0
  round 1 smd: 1(0,0)
TP_SMD_CIR_2D0
  round 2 smd: 1(0,0)
TSOP-48
  rect 0.8x0.2 smd: 1(-9.75,5.8) 2(-9.75,5.3) 3(-9.75,4.8) 4(-9.75,4.3) 5(-9.75,3.8) 6(-9.75,3.3) 7(-9.75,2.8) 8(-9.75,2.3) 9(-9.75,1.8) 10(-9.75,1.3) 11(-9.75,0.8) 12(-9.75,0.3) 13(-9.75,-0.2) 14(-9.75,-0.7) 15(-9.75,-1.2) 16(-9.75,-1.7) 17(-9.75,-2.2) 18(-9.75,-2.7) 19(-9.75,-3.2) 20(-9.75,-3.7) 21(-9.75,-4.2) 22(-9.75,-4.7) 23(-9.75,-5.2) 24(-9.75,-5.7) 25(9.75,-5.7) 26(9.75,-5.2) 27(9.75,-4.7) 28(9.75,-4.2) 29(9.75,-3.7) 30(9.75,-3.2) 31(9.75,-2.7) 32(9.75,-2.2) 33(9.75,-1.7) 34(9.75,-1.2) 35(9.75,-0.7) 36(9.75,-0.2) 37(9.75,0.3) 38(9.75,0.8) 39(9.75,1.3) 40(9.75,1.8) 41(9.75,2.3) 42(9.75,2.8) 43(9.75,3.3) 44(9.75,3.8) 45(9.75,4.3) 46(9.75,4.8) 47(9.75,5.3) 48(9.75,5.8)